# EAGLE board Mk4 Final Panel (EAGLE 9.0.1), part 5 of 18
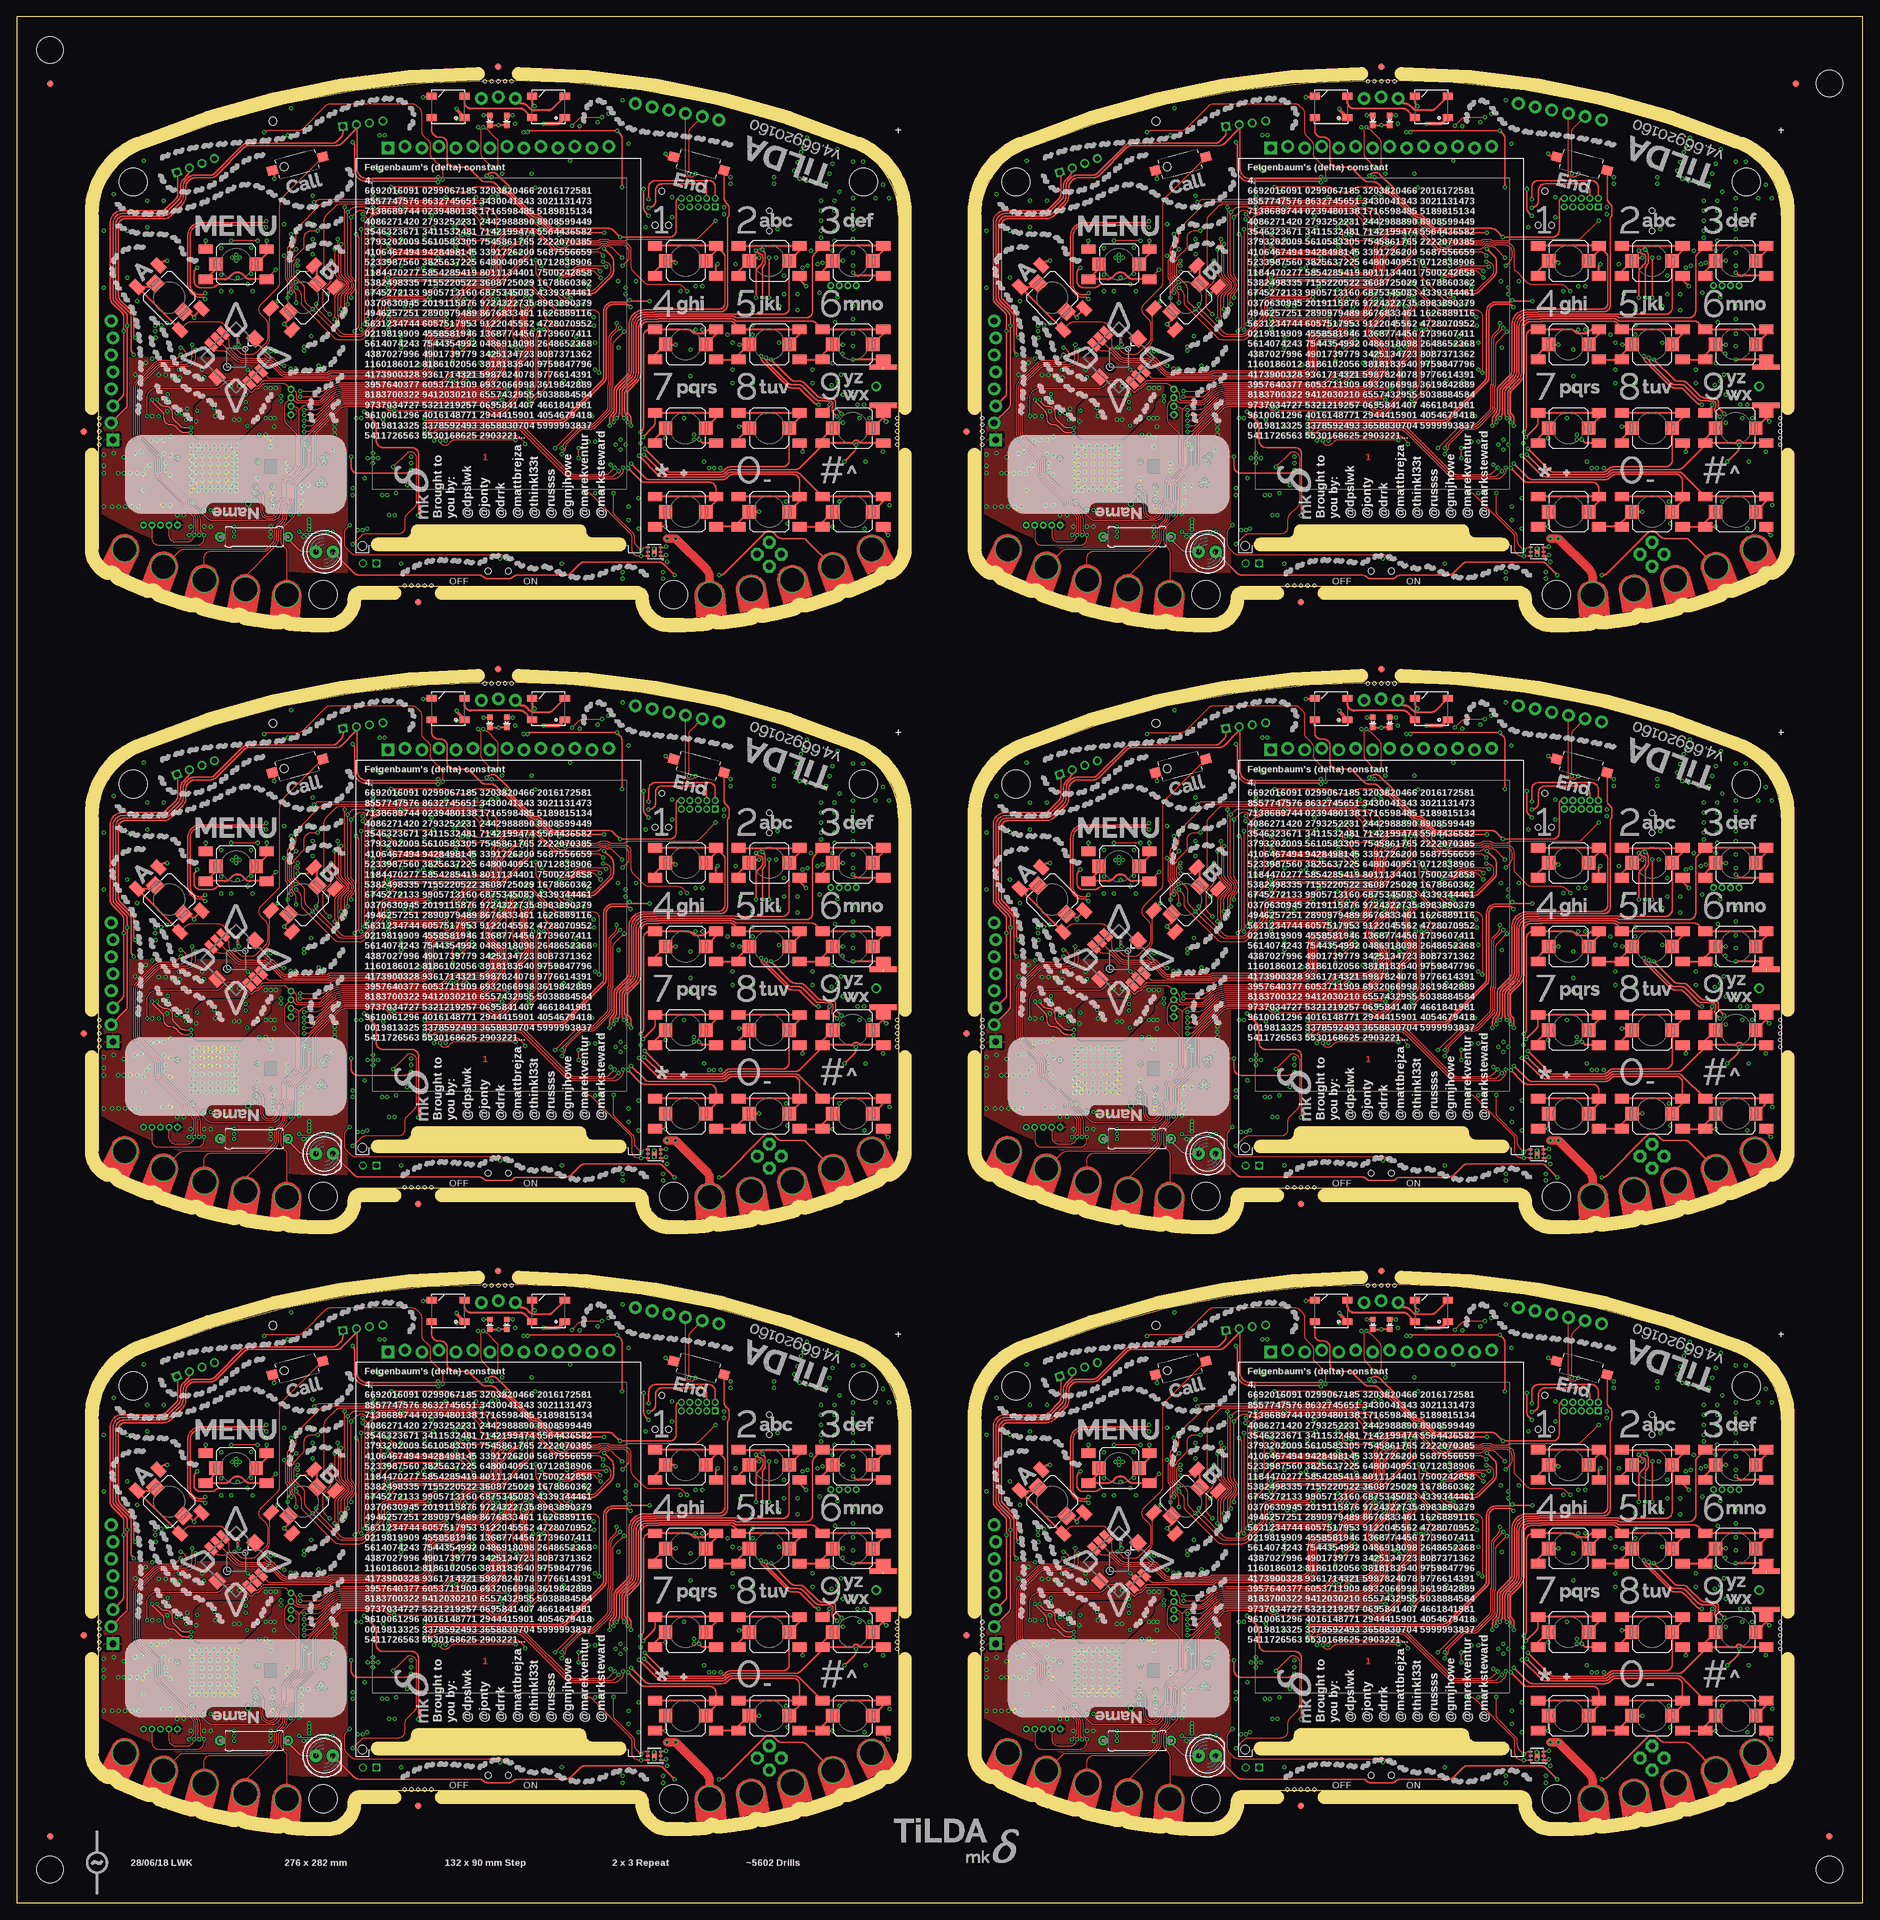
[diagram p0: board, top side]
## Tracks (layer width: path | path; a pad name or v marks a point on that pad's centre or on a via) (continued)
3V2  (via drill 0.3) (continued)
  Bottom 0.2: IC38.9 75,145.75 C231.2 | IC38.8 75.4,148.19 arc-45 75.55,148.55 v75.75,148.75 75.8,148.7 IC38.7 | IC38.16 72.2,146.01 arc45 72.35,145.65 C230.2 v72.5,144.75 | IC38.47 63.46,154.4 arc45 C228.2 | IC38.113 80.14,154.8 arc45 80.84,155.09 C227.2 | IC38.79 71.4,163.44 arc45 71.11,164.14 C229.2 | IC38.69 67.4,161.86 arc-45 v67.25,161.5 67.15,161.6 arc-45 67,161.96 IC38.68 | 32.75,129.28 IC47.47 | IC38.90 75.8,161.55 v75.75,161.5 | IC38.51 v63,156 63.11,156.11 arc-45 63.81,156.4 IC38.52 | IC38.39 v65.5,151.2 | IC38.28 67.4,146.35 arc90 v67.75,146 arc90 68.2,146.45 IC38.26 | R171.1 v79.5,147.5 | IC38.122 78.62,151.2 arc-45 v78.5,151.25 | v97.05,111.5 C320.1 | IC38.101 80.95,159.6 v81.1,159.45 | R184.2 v84.75,149 | R183.2 85.07,151.32 arc-45 v85.5,151.5 | R222.1 20.5,141.5 arc-45 v20.25,140.9
  Bottom 0.25: J21.41 64.25,140 | J21.40 64.75,139.29 arc45 64.6,139.65 64.25,140 | J21.42 63.75,139.29 arc-45 63.9,139.65 64.25,140 | J21.35 v67.25,137.5 | J21.1 v84.25,137.5 | J21.8 v80.75,140 | J21.7 81.25,139.5 v80.75,140 | J21.9 80.25,139.5 v80.75,140 | C231.2 75.25,144.12 C232.2 75.5,143.62 v75.5,142.75 | v62,154.1 C228.2 | v82.25,155.75 C227.2 | v71,165 C229.2 | R166.2 v71,168 | R167.2 v62,162.25 | C305.1 32.16,130.5 arc45 31.46,130.21 arc45 31.25,129.71 IC47.44 | IC47.39 28.75,131.55 C306.1 | IC47.37 27.75,131.35 C304.1 | C307.1 v28,118.25 28.46,118.71 arc45 28.75,119.41 IC47.10 | C308.1 v36,125.5 35.9,125.6 arc45 35.54,125.75 IC47.54 | IC49.21 C239.2 | v86,132.3 R230.2 | JP21.8 74.35,173.71 arc45 74.5,174.06 C221.2 | IC46.6 33.12,153.03 v33.05,152.95 C293.1
  Bottom 0.3: 33.22,129.75 32.75,129.28 | R229.2 v21.25,132.25 | JP19.1 97.63,164.63 v98,165 | IC45.14 106.81,161.44 R212.2 C280.2 v105.75,162.5 | IC40.8 81.35,148.15 C220.2 v81.25,149 | R172.1 v90,142.5 | C246.2 54.43,144.25 IC37.27 54.33,144.25 v53.25,144.25 | v44.25,156.5 arc-45 43.77,156.3 IC37.43 41.8,156.3 C242.2 | v44.25,161 44.15,161.1 IC37.49 41.85,161.1 C245.2 | v53.25,163.5 IC37.3 C240.2 | v53.25,165.25 53.4,165.1 IC37.1 55.65,165.1 C244.2 | v53.25,158.75 53.3,158.7 IC37.9 55.7,158.7 C241.2 | v53.25,154.75 53.3,154.7 IC37.14 55.7,154.7 C243.2 | C261.2 v38,136.5 | C261.2 38.75,137 v38.75,136.5 | C261.2 37.25,137 v37.25,136.5 | v91,151.5 R206.2 | C319.1 R216.1 | R182.2 R181.2 v57.3,150.75 | C304.1 v26.85,131.5 | C222.2 80.89,170.61 JP21.11 | v92.6,152.45 C279.2 92.03,152.72 IC44.8 | J26.7 J26.3 | J28.7 J28.3 | IC53.5 C323.1 v90.6,109
  Bottom 0.4: 33.22,129.75 34.19,129.75 arc45 34.89,130.04 C309.1 35.6,131.39 arc-45 35.75,131.75 v36,132 | v33.25,131.75 33.25,131.66 arc-45 32.96,130.96 32.7,130.7 C305.1 32.5,130.7 v32.5,131.75 | C306.1 29.1,131.7 v29.65,132.25 | v38.25,121.75 R224.2 | v38.25,119.75 R225.2 | v28,138.15 28.5,138.15 arc90 29.5,139.15 C294.2 29.5,139.53 arc45 29.21,140.24 IC48.8 | R223.2 v24.25,139.25 | v86.5,128.5 C239.2 | v40.95,117.6 R216.1 | C262.2 v32.5,115 | C262.2 33,115.75 v32.5,115.75 | C262.2 33,114.25 v32.5,114.25 | IC54.1 99.05,112 C324.1 97.96,112 arc45 97.26,111.71 v97.05,111.5 | TP54.TP 45.55,123.95 v45.55,122.65
  Bottom 0.5: C223.2 89.14,172 JP21.14
  other vias: 64.5,143.25 45.15,122.15 45.95,122.15 46.3,126.35 46,125.35 45.7,125.95
  pour 3V3@2 (isolate 0.254, rank 6): 12.2,164.5 12.2,111 arc31 44,102 46.7,102 arc90 49.5,104.8 arc-90 51.5,106.8 92.5,106.8 arc-90 94.5,104.8 arc90 97.3,102 100,102 arc31 131.8,111 131.8,134.5 125.5,134.5 125.5,164.5 131.8,164.5 arc64 125.25,172.25 arc24 72,182.5 arc24 18.75,172.25 arc55
  pour Bottom (no thermals): 64.25,142 64.25,143.3 64.45,143.5 64.8,143.5 65,143.3 65,141.75 64.5,141.25 64.5,139.75 64,139.75 64,141.75
  pour Bottom (no thermals): 48.3,117.65 46.75,117.65 46.35,118.05 arc45 45.99,118.2 44.85,118.2 44.85,125.39 arc-45 45,125.75 45.85,126.6 arc-45 46.21,126.75 46.25,126.75 arc-90 46.75,126.25 46.75,126.11 arc-45 46.6,125.75 46.45,125.6 arc45 46.3,125.24 46.3,119.4 arc90 46.8,118.9 47.8,118.9 arc-90 48.3,118.4
  pour Top: 36.35,136.85 34.65,135.15 arc-45 34.29,135 28.41,135 arc45 27.71,134.71 26.79,133.79 arc45 26.5,133.09 26.5,130 arc90 27.5,129 33.09,129 arc45 33.79,129.29 37.71,133.21 arc45 38,133.91 38,134.29 arc-45 38.15,134.65 39.35,135.85 arc45 39.5,136.21 39.5,136.5 arc90 39,137 36.71,137 arc45
3V3  (via drill 0.3)
  Top 0.2: IC17.1 96.69,21.35 arc45 v97.05,21.5
  Top 0.3: SW1.COM 35.58,48.17 v34.5,49.25
  Bottom 0.15: v86.5,30.75 C102.1 86,31.5 arc-90 85.5,32 85.5,32.16 arc-90 IC16.5
  Bottom 0.2: IC1.9 75,55.75 C13.2 | IC1.8 75.4,58.19 arc-45 75.55,58.55 v75.75,58.75 75.8,58.7 IC1.7 | IC1.16 72.2,56.01 arc45 72.35,55.65 C12.2 v72.5,54.75 | IC1.47 63.46,64.4 arc45 C10.2 | IC1.113 80.14,64.8 arc45 80.84,65.09 C9.2 | IC1.79 71.4,73.44 arc45 71.11,74.14 C11.2 | IC1.69 67.4,71.86 arc-45 v67.25,71.5 67.15,71.6 arc-45 67,71.96 IC1.68 | 32.75,39.28 IC15.47 | IC1.90 75.8,71.55 v75.75,71.5 | IC1.51 v63,66 63.11,66.11 arc-45 63.81,66.4 IC1.52 | IC1.39 v65.5,61.2 | IC1.28 67.4,56.35 arc90 v67.75,56 arc90 68.2,56.45 IC1.26 | R9.1 v79.5,57.5 | IC1.122 78.62,61.2 arc-45 v78.5,61.25 | v97.05,21.5 C104.1 | IC1.101 80.95,69.6 v81.1,69.45 | R24.2 v84.75,59 | R23.2 85.07,61.32 arc-45 v85.5,61.5 | R66.1 20.5,51.5 arc-45 v20.25,50.9
  Bottom 0.25: J2.41 64.25,50 | J2.40 64.75,49.29 arc45 64.6,49.65 64.25,50 | J2.42 63.75,49.29 arc-45 63.9,49.65 64.25,50 | J2.35 v67.25,47.5 | J2.1 v84.25,47.5 | J2.8 v80.75,50 | J2.7 81.25,49.5 v80.75,50 | J2.9 80.25,49.5 v80.75,50 | C13.2 75.25,54.12 C14.2 75.5,53.62 v75.5,52.75 | v62,64.1 C10.2 | v82.25,65.75 C9.2 | v71,75 C11.2 | R4.2 v71,78 | R5.2 v62,72.25 | C89.1 32.16,40.5 arc45 31.46,40.21 arc45 31.25,39.71 IC15.44 | IC15.39 28.75,41.55 C90.1 | IC15.37 27.75,41.35 C88.1 | C91.1 v28,28.25 28.46,28.71 arc45 28.75,29.41 IC15.10 | C92.1 v36,35.5 35.9,35.6 arc45 35.54,35.75 IC15.54 | IC4.21 C21.2 | v86,42.3 R76.2 | JP7.8 74.35,83.71 arc45 74.5,84.06 C3.2 | IC13.6 33.12,63.02 v33.05,62.95 C58.1
  Bottom 0.3: 33.22,39.75 32.75,39.28 | R73.2 v21.25,42.25 | JP4.1 97.63,74.63 v98,75 | IC12.14 106.81,71.44 R56.2 C71.2 v105.75,72.5 | IC6.8 81.35,58.15 C2.2 v81.25,59 | R10.1 v90,52.5 | C28.2 54.43,54.25 IC2.27 54.33,54.25 v53.25,54.25 | v44.25,66.5 arc-45 43.77,66.3 IC2.43 41.8,66.3 C24.2 | v44.25,71 44.15,71.1 IC2.49 41.85,71.1 C27.2 | v53.25,73.5 IC2.3 C22.2 | v53.25,75.25 53.4,75.1 IC2.1 55.65,75.1 C26.2 | v53.25,68.75 53.3,68.7 IC2.9 55.7,68.7 C23.2 | v53.25,64.75 53.3,64.7 IC2.14 55.7,64.7 C25.2 | C42.2 v38,46.5 | C42.2 38.75,47 v38.75,46.5 | C42.2 37.25,47 v37.25,46.5 | v91,61.5 R50.2 | C103.1 R60.1 | R22.2 R21.2 v57.3,60.75 | C88.1 v26.85,41.5 | C4.2 80.89,80.61 JP7.11 | v92.6,62.45 C70.2 92.03,62.73 IC11.8 | J10.7 J10.3 | J8.7 J8.3 | IC3.5 C107.1 v90.6,19
  Bottom 0.4: 33.22,39.75 34.19,39.75 arc45 34.89,40.04 C93.1 35.6,41.39 arc-45 35.75,41.75 v36,42 | v33.25,41.75 33.25,41.66 arc-45 32.96,40.96 32.7,40.7 C89.1 32.5,40.7 v32.5,41.75 | C90.1 29.1,41.7 v29.65,42.25 | v38.25,31.75 R68.2 | v38.25,29.75 R69.2 | v28,48.15 28.5,48.15 arc90 29.5,49.15 C59.2 29.5,49.53 arc45 29.21,50.24 IC14.8 | R67.2 v24.25,49.25 | v86.5,38.5 C21.2 | v40.95,27.6 R60.1 | C43.2 v32.5,25 | C43.2 33,25.75 v32.5,25.75 | C43.2 33,24.25 v32.5,24.25 | IC18.1 99.05,22 C108.1 97.96,22 arc45 97.26,21.71 v97.05,21.5 | TP16.TP 45.55,33.95 v45.55,32.65
  Bottom 0.5: C5.2 89.14,82 JP7.14
  other vias: 64.5,53.25 45.15,32.15 45.95,32.15 46.3,36.35 46,35.35 45.7,35.95
  pour 3V3@2 (isolate 0.254, rank 6): 12.2,74.5 12.2,21 arc31 44,12 46.7,12 arc90 49.5,14.8 arc-90 51.5,16.8 92.5,16.8 arc-90 94.5,14.8 arc90 97.3,12 100,12 arc31 131.8,21 131.8,44.5 125.5,44.5 125.5,74.5 131.8,74.5 arc64 125.25,82.25 arc24 72,92.5 arc24 18.75,82.25 arc55
  pour Bottom (no thermals): 64.25,52 64.25,53.3 64.45,53.5 64.8,53.5 65,53.3 65,51.75 64.5,51.25 64.5,49.75 64,49.75 64,51.75
  pour Bottom (no thermals): 48.3,27.65 46.75,27.65 46.35,28.05 arc45 45.99,28.2 44.85,28.2 44.85,35.39 arc-45 45,35.75 45.85,36.6 arc-45 46.21,36.75 46.25,36.75 arc-90 46.75,36.25 46.75,36.11 arc-45 46.6,35.75 46.45,35.6 arc45 46.3,35.24 46.3,29.4 arc90 46.8,28.9 47.8,28.9 arc-90 48.3,28.4
  pour Top: 36.35,46.85 34.65,45.15 arc-45 34.29,45 28.41,45 arc45 27.71,44.71 26.79,43.79 arc45 26.5,43.09 26.5,40 arc90 27.5,39 33.09,39 arc45 33.79,39.29 37.71,43.21 arc45 38,43.91 38,44.29 arc-45 38.15,44.65 39.35,45.85 arc45 39.5,46.21 39.5,46.5 arc90 39,47 36.71,47 arc45
3V4  (via drill 0.3)
  Top 0.2: IC70.1 228.69,111.35 arc45 v229.05,111.5
  Top 0.3: SW4.COM 167.58,138.17 v166.5,139.25
  Bottom 0.15: v218.5,120.75 C426.1 218,121.5 arc-90 217.5,122 217.5,122.16 arc-90 IC68.5
  Bottom 0.2: IC56.9 207,145.75 C339.2 | IC56.8 207.4,148.19 arc-45 207.55,148.55 v207.75,148.75 207.8,148.7 IC56.7 | IC56.16 204.2,146.01 arc45 204.35,145.65 C338.2 v204.5,144.75 | IC56.47 195.46,154.4 arc45 C336.2 | IC56.113 212.14,154.8 arc45 212.84,155.09 C335.2 | IC56.79 203.4,163.44 arc45 203.11,164.14 C337.2 | IC56.69 199.4,161.86 arc-45 v199.25,161.5 199.15,161.6 arc-45 199,161.96 IC56.68 | 164.75,129.28 IC65.47 | IC56.90 207.8,161.55 v207.75,161.5 | IC56.51 v195,156 195.11,156.11 arc-45 195.81,156.4 IC56.52 | IC56.39 v197.5,151.2 | IC56.28 199.4,146.35 arc90 v199.75,146 arc90 200.2,146.45 IC56.26 | R249.1 v211.5,147.5 | IC56.122 210.62,151.2 arc-45 v210.5,151.25 | v229.05,111.5 C428.1 | IC56.101 212.95,159.6 v213.1,159.45 | R262.2 v216.75,149 | R261.2 217.07,151.32 arc-45 v217.5,151.5 | R300.1 152.5,141.5 arc-45 v152.25,140.9
  Bottom 0.25: J31.41 196.25,140 | J31.40 196.75,139.29 arc45 196.6,139.65 196.25,140 | J31.42 195.75,139.29 arc-45 195.9,139.65 196.25,140 | J31.35 v199.25,137.5 | J31.1 v216.25,137.5 | J31.8 v212.75,140 | J31.7 213.25,139.5 v212.75,140 | J31.9 212.25,139.5 v212.75,140 | C339.2 207.25,144.12 C340.2 207.5,143.62 v207.5,142.75 | v194,154.1 C336.2 | v214.25,155.75 C335.2 | v203,165 C337.2 | R244.2 v203,168 | R245.2 v194,162.25 | C413.1 164.16,130.5 arc45 163.46,130.21 arc45 163.25,129.71 IC65.44 | IC65.39 160.75,131.55 C414.1 | IC65.37 159.75,131.35 C412.1 | C415.1 v160,118.25 160.46,118.71 arc45 160.75,119.41 IC65.10 | C416.1 v168,125.5 167.9,125.6 arc45 167.54,125.75 IC65.54 | IC67.21 C347.2 | v218,132.3 R308.2 | JP30.8 206.35,173.71 arc45 206.5,174.06 C329.2 | IC64.6 165.12,153.03 v165.05,152.95 C401.1
  Bottom 0.3: 165.22,129.75 164.75,129.28 | R307.2 v153.25,132.25 | JP28.1 229.63,164.63 v230,165 | IC63.14 238.81,161.44 R290.2 C388.2 v237.75,162.5 | IC58.8 213.35,148.15 C328.2 v213.25,149 | R250.1 v222,142.5 | C354.2 186.43,144.25 IC55.27 186.33,144.25 v185.25,144.25 | v176.25,156.5 arc-45 175.77,156.3 IC55.43 173.8,156.3 C350.2 | v176.25,161 176.15,161.1 IC55.49 173.85,161.1 C353.2 | v185.25,163.5 IC55.3 C348.2 | v185.25,165.25 185.4,165.1 IC55.1 187.65,165.1 C352.2 | v185.25,158.75 185.3,158.7 IC55.9 187.7,158.7 C349.2 | v185.25,154.75 185.3,154.7 IC55.14 187.7,154.7 C351.2 | C369.2 v170,136.5 | C369.2 170.75,137 v170.75,136.5 | C369.2 169.25,137 v169.25,136.5 | v223,151.5 R284.2 | C427.1 R294.1 | R260.2 R259.2 v189.3,150.75 | C412.1 v158.85,131.5 | C330.2 212.89,170.61 JP30.11 | v224.6,152.45 C387.2 224.03,152.72 IC62.8 | J36.7 J36.3 | J38.7 J38.3 | IC71.5 C431.1 v222.6,109
  Bottom 0.4: 165.22,129.75 166.19,129.75 arc45 166.89,130.04 C417.1 167.6,131.39 arc-45 167.75,131.75 v168,132 | v165.25,131.75 165.25,131.66 arc-45 164.96,130.96 164.7,130.7 C413.1 164.5,130.7 v164.5,131.75 | C414.1 161.1,131.7 v161.65,132.25 | v170.25,121.75 R302.2 | v170.25,119.75 R303.2 | v160,138.15 160.5,138.15 arc90 161.5,139.15 C402.2 161.5,139.53 arc45 161.21,140.24 IC66.8 | R301.2 v156.25,139.25 | v218.5,128.5 C347.2 | v172.95,117.6 R294.1 | C370.2 v164.5,115 | C370.2 165,115.75 v164.5,115.75 | C370.2 165,114.25 v164.5,114.25 | IC72.1 231.05,112 C432.1 229.96,112 arc45 229.26,111.71 v229.05,111.5 | TP73.TP 177.55,123.95 v177.55,122.65
  Bottom 0.5: C331.2 221.14,172 JP30.14
  other vias: 196.5,143.25 177.15,122.15 177.95,122.15 178.3,126.35 178,125.35 177.7,125.95
  pour 3V3@2 (isolate 0.254, rank 6): 144.2,164.5 144.2,111 arc31 176,102 178.7,102 arc90 181.5,104.8 arc-90 183.5,106.8 224.5,106.8 arc-90 226.5,104.8 arc90 229.3,102 232,102 arc31 263.8,111 263.8,134.5 257.5,134.5 257.5,164.5 263.8,164.5 arc64 257.25,172.25 arc24 204,182.5 arc24 150.75,172.25 arc55
  pour Bottom (no thermals): 196.25,142 196.25,143.3 196.45,143.5 196.8,143.5 197,143.3 197,141.75 196.5,141.25 196.5,139.75 196,139.75 196,141.75
  pour Bottom (no thermals): 180.3,117.65 178.75,117.65 178.35,118.05 arc45 177.99,118.2 176.85,118.2 176.85,125.39 arc-45 177,125.75 177.85,126.6 arc-45 178.21,126.75 178.25,126.75 arc-90 178.75,126.25 178.75,126.11 arc-45 178.6,125.75 178.45,125.6 arc45 178.3,125.24 178.3,119.4 arc90 178.8,118.9 179.8,118.9 arc-90 180.3,118.4
  pour Top: 168.35,136.85 166.65,135.15 arc-45 166.29,135 160.41,135 arc45 159.71,134.71 158.79,133.79 arc45 158.5,133.09 158.5,130 arc90 159.5,129 165.09,129 arc45 165.79,129.29 169.71,133.21 arc45 170,133.91 170,134.29 arc-45 170.15,134.65 171.35,135.85 arc45 171.5,136.21 171.5,136.5 arc90 171,137 168.71,137 arc45
3V5  (via drill 0.3)
  Top 0.2: IC88.1 96.69,201.35 arc45 v97.05,201.5
  Top 0.3: SW5.COM 35.58,228.17 v34.5,229.25
  Bottom 0.15: v86.5,210.75 C534.1 86,211.5 arc-90 85.5,212 85.5,212.16 arc-90 IC86.5
  Bottom 0.2: IC74.9 75,235.75 C447.2 | IC74.8 75.4,238.19 arc-45 75.55,238.55 v75.75,238.75 75.8,238.7 IC74.7 | IC74.16 72.2,236.01 arc45 72.35,235.65 C446.2 v72.5,234.75 | IC74.47 63.46,244.4 arc45 C444.2 | IC74.113 80.14,244.8 arc45 80.84,245.09 C443.2 | IC74.79 71.4,253.44 arc45 71.11,254.14 C445.2 | IC74.69 67.4,251.86 arc-45 v67.25,251.5 67.15,251.6 arc-45 67,251.96 IC74.68 | 32.75,219.28 IC83.47 | IC74.90 75.8,251.55 v75.75,251.5 | IC74.51 v63,246 63.11,246.11 arc-45 63.81,246.4 IC74.52 | IC74.39 v65.5,241.2 | IC74.28 67.4,236.35 arc90 v67.75,236 arc90 68.2,236.45 IC74.26 | R327.1 v79.5,237.5 | IC74.122 78.62,241.2 arc-45 v78.5,241.25 | v97.05,201.5 C536.1 | IC74.101 80.95,249.6 v81.1,249.45 | R340.2 v84.75,239 | R339.2 85.07,241.32 arc-45 v85.5,241.5 | R378.1 20.5,231.5 arc-45 v20.25,230.9
  Bottom 0.25: J41.41 64.25,230 | J41.40 64.75,229.29 arc45 64.6,229.65 64.25,230 | J41.42 63.75,229.29 arc-45 63.9,229.65 64.25,230 | J41.35 v67.25,227.5 | J41.1 v84.25,227.5 | J41.8 v80.75,230 | J41.7 81.25,229.5 v80.75,230 | J41.9 80.25,229.5 v80.75,230 | C447.2 75.25,234.12 C448.2 75.5,233.62 v75.5,232.75 | v62,244.1 C444.2 | v82.25,245.75 C443.2 | v71,255 C445.2 | R322.2 v71,258 | R323.2 v62,252.25 | C521.1 32.16,220.5 arc45 31.46,220.21 arc45 31.25,219.71 IC83.44 | IC83.39 28.75,221.55 C522.1 | IC83.37 27.75,221.35 C520.1 | C523.1 v28,208.25 28.46,208.71 arc45 28.75,209.41 IC83.10 | C524.1 v36,215.5 35.9,215.6 arc45 35.54,215.75 IC83.54 | IC85.21 C455.2 | v86,222.3 R386.2 | JP39.8 74.35,263.71 arc45 74.5,264.06 C437.2 | IC82.6 33.12,243.03 v33.05,242.95 C509.1
  Bottom 0.3: 33.22,219.75 32.75,219.28 | R385.2 v21.25,222.25 | JP37.1 97.63,254.63 v98,255 | IC81.14 106.81,251.44 R368.2 C496.2 v105.75,252.5 | IC76.8 81.35,238.15 C436.2 v81.25,239 | R328.1 v90,232.5 | C462.2 54.43,234.25 IC73.27 54.33,234.25 v53.25,234.25 | v44.25,246.5 arc-45 43.77,246.3 IC73.43 41.8,246.3 C458.2 | v44.25,251 44.15,251.1 IC73.49 41.85,251.1 C461.2 | v53.25,253.5 IC73.3 C456.2 | v53.25,255.25 53.4,255.1 IC73.1 55.65,255.1 C460.2 | v53.25,248.75 53.3,248.7 IC73.9 55.7,248.7 C457.2 | v53.25,244.75 53.3,244.7 IC73.14 55.7,244.7 C459.2 | C477.2 v38,226.5 | C477.2 38.75,227 v38.75,226.5 | C477.2 37.25,227 v37.25,226.5 | v91,241.5 R362.2 | C535.1 R372.1 | R338.2 R337.2 v57.3,240.75 | C520.1 v26.85,221.5 | C438.2 80.89,260.61 JP39.11 | v92.6,242.45 C495.2 92.03,242.72 IC80.8 | J46.7 J46.3 | J48.7 J48.3 | IC89.5 C539.1 v90.6,199
  Bottom 0.4: 33.22,219.75 34.19,219.75 arc45 34.89,220.04 C525.1 35.6,221.39 arc-45 35.75,221.75 v36,222 | v33.25,221.75 33.25,221.66 arc-45 32.96,220.96 32.7,220.7 C521.1 32.5,220.7 v32.5,221.75 | C522.1 29.1,221.7 v29.65,222.25 | v38.25,211.75 R380.2 | v38.25,209.75 R381.2 | v28,228.15 28.5,228.15 arc90 29.5,229.15 C510.2 29.5,229.53 arc45 29.21,230.24 IC84.8 | R379.2 v24.25,229.25 | v86.5,218.5 C455.2 | v40.95,207.6 R372.1 | C478.2 v32.5,205 | C478.2 33,205.75 v32.5,205.75 | C478.2 33,204.25 v32.5,204.25 | IC90.1 99.05,202 C540.1 97.96,202 arc45 97.26,201.71 v97.05,201.5 | TP92.TP 45.55,213.95 v45.55,212.65
  Bottom 0.5: C439.2 89.14,262 JP39.14
  other vias: 64.5,233.25 45.15,212.15 45.95,212.15 46.3,216.35 46,215.35 45.7,215.95
  pour 3V3@2 (isolate 0.254, rank 6): 12.2,254.5 12.2,201 arc31 44,192 46.7,192 arc90 49.5,194.8 arc-90 51.5,196.8 92.5,196.8 arc-90 94.5,194.8 arc90 97.3,192 100,192 arc31 131.8,201 131.8,224.5 125.5,224.5 125.5,254.5 131.8,254.5 arc64 125.25,262.25 arc24 72,272.5 arc24 18.75,262.25 arc55
  pour Bottom (no thermals): 64.25,232 64.25,233.3 64.45,233.5 64.8,233.5 65,233.3 65,231.75 64.5,231.25 64.5,229.75 64,229.75 64,231.75
  pour Bottom (no thermals): 48.3,207.65 46.75,207.65 46.35,208.05 arc45 45.99,208.2 44.85,208.2 44.85,215.39 arc-45 45,215.75 45.85,216.6 arc-45 46.21,216.75 46.25,216.75 arc-90 46.75,216.25 46.75,216.11 arc-45 46.6,215.75 46.45,215.6 arc45 46.3,215.24 46.3,209.4 arc90 46.8,208.9 47.8,208.9 arc-90 48.3,208.4
  pour Top: 36.35,226.85 34.65,225.15 arc-45 34.29,225 28.41,225 arc45 27.71,224.71 26.79,223.79 arc45 26.5,223.09 26.5,220 arc90 27.5,219 33.09,219 arc45 33.79,219.29 37.71,223.21 arc45 38,223.91 38,224.29 arc-45 38.15,224.65 39.35,225.85 arc45 39.5,226.21 39.5,226.5 arc90 39,227 36.71,227 arc45
3V6  (via drill 0.3)
  Top 0.2: IC106.1 228.69,201.35 arc45 v229.05,201.5
  Top 0.3: SW6.COM 167.58,228.17 v166.5,229.25
  Bottom 0.15: v218.5,210.75 C642.1 218,211.5 arc-90 217.5,212 217.5,212.16 arc-90 IC104.5
  Bottom 0.2: IC92.9 207,235.75 C555.2 | IC92.8 207.4,238.19 arc-45 207.55,238.55 v207.75,238.75 207.8,238.7 IC92.7 | IC92.16 204.2,236.01 arc45 204.35,235.65 C554.2 v204.5,234.75 | IC92.47 195.46,244.4 arc45 C552.2 | IC92.113 212.14,244.8 arc45 212.84,245.09 C551.2 | IC92.79 203.4,253.44 arc45 203.11,254.14 C553.2 | IC92.69 199.4,251.86 arc-45 v199.25,251.5 199.15,251.6 arc-45 199,251.96 IC92.68 | 164.75,219.28 IC101.47 | IC92.90 207.8,251.55 v207.75,251.5 | IC92.51 v195,246 195.11,246.11 arc-45 195.81,246.4 IC92.52 | IC92.39 v197.5,241.2 | IC92.28 199.4,236.35 arc90 v199.75,236 arc90 200.2,236.45 IC92.26 | R405.1 v211.5,237.5 | IC92.122 210.62,241.2 arc-45 v210.5,241.25 | v229.05,201.5 C644.1 | IC92.101 212.95,249.6 v213.1,249.45 | R418.2 v216.75,239 | R417.2 217.07,241.32 arc-45 v217.5,241.5 | R456.1 152.5,231.5 arc-45 v152.25,230.9
  Bottom 0.25: J51.41 196.25,230 | J51.40 196.75,229.29 arc45 196.6,229.65 196.25,230 | J51.42 195.75,229.29 arc-45 195.9,229.65 196.25,230 | J51.35 v199.25,227.5 | J51.1 v216.25,227.5 | J51.8 v212.75,230 | J51.7 213.25,229.5 v212.75,230 | J51.9 212.25,229.5 v212.75,230 | C555.2 207.25,234.12 C556.2 207.5,233.62 v207.5,232.75 | v194,244.1 C552.2 | v214.25,245.75 C551.2 | v203,255 C553.2 | R400.2 v203,258 | R401.2 v194,252.25 | C629.1 164.16,220.5 arc45 163.46,220.21 arc45 163.25,219.71 IC101.44 | IC101.39 160.75,221.55 C630.1 | IC101.37 159.75,221.35 C628.1 | C631.1 v160,208.25 160.46,208.71 arc45 160.75,209.41 IC101.10 | C632.1 v168,215.5 167.9,215.6 arc45 167.54,215.75 IC101.54 | IC103.21 C563.2 | v218,222.3 R464.2 | JP48.8 206.35,263.71 arc45 206.5,264.06 C545.2 | IC100.6 165.12,243.03 v165.05,242.95 C617.1
  Bottom 0.3: 165.22,219.75 164.75,219.28 | R463.2 v153.25,222.25 | JP46.1 229.63,254.63 v230,255 | IC99.14 238.81,251.44 R446.2 C604.2 v237.75,252.5 | IC94.8 213.35,238.15 C544.2 v213.25,239 | R406.1 v222,232.5 | C570.2 186.43,234.25 IC91.27 186.33,234.25 v185.25,234.25 | v176.25,246.5 arc-45 175.77,246.3 IC91.43 173.8,246.3 C566.2 | v176.25,251 176.15,251.1 IC91.49 173.85,251.1 C569.2 | v185.25,253.5 IC91.3 C564.2 | v185.25,255.25 185.4,255.1 IC91.1 187.65,255.1 C568.2 | v185.25,248.75 185.3,248.7 IC91.9 187.7,248.7 C565.2 | v185.25,244.75 185.3,244.7 IC91.14 187.7,244.7 C567.2 | C585.2 v170,226.5 | C585.2 170.75,227 v170.75,226.5 | C585.2 169.25,227 v169.25,226.5 | v223,241.5 R440.2 | C643.1 R450.1 | R416.2 R415.2 v189.3,240.75 | C628.1 v158.85,221.5 | C546.2 212.89,260.61 JP48.11 | v224.6,242.45 C603.2 224.03,242.72 IC98.8 | J56.7 J56.3 | J58.7 J58.3 | IC107.5 C647.1 v222.6,199
  Bottom 0.4: 165.22,219.75 166.19,219.75 arc45 166.89,220.04 C633.1 167.6,221.39 arc-45 167.75,221.75 v168,222 | v165.25,221.75 165.25,221.66 arc-45 164.96,220.96 164.7,220.7 C629.1 164.5,220.7 v164.5,221.75 | C630.1 161.1,221.7 v161.65,222.25 | v170.25,211.75 R458.2 | v170.25,209.75 R459.2 | v160,228.15 160.5,228.15 arc90 161.5,229.15 C618.2 161.5,229.53 arc45 161.21,230.24 IC102.8 | R457.2 v156.25,229.25 | v218.5,218.5 C563.2 | v172.95,207.6 R450.1 | C586.2 v164.5,205 | C586.2 165,205.75 v164.5,205.75 | C586.2 165,204.25 v164.5,204.25 | IC108.1 231.05,202 C648.1 229.96,202 arc45 229.26,201.71 v229.05,201.5 | TP111.TP 177.55,213.95 v177.55,212.65
  Bottom 0.5: C547.2 221.14,262 JP48.14
  other vias: 196.5,233.25 177.15,212.15 177.95,212.15 178.3,216.35 178,215.35 177.7,215.95
  pour 3V3@2 (isolate 0.254, rank 6): 144.2,254.5 144.2,201 arc31 176,192 178.7,192 arc90 181.5,194.8 arc-90 183.5,196.8 224.5,196.8 arc-90 226.5,194.8 arc90 229.3,192 232,192 arc31 263.8,201 263.8,224.5 257.5,224.5 257.5,254.5 263.8,254.5 arc64 257.25,262.25 arc24 204,272.5 arc24 150.75,262.25 arc55
  pour Bottom (no thermals): 196.25,232 196.25,233.3 196.45,233.5 196.8,233.5 197,233.3 197,231.75 196.5,231.25 196.5,229.75 196,229.75 196,231.75
  pour Bottom (no thermals): 180.3,207.65 178.75,207.65 178.35,208.05 arc45 177.99,208.2 176.85,208.2 176.85,215.39 arc-45 177,215.75 177.85,216.6 arc-45 178.21,216.75 178.25,216.75 arc-90 178.75,216.25 178.75,216.11 arc-45 178.6,215.75 178.45,215.6 arc45 178.3,215.24 178.3,209.4 arc90 178.8,208.9 179.8,208.9 arc-90 180.3,208.4
  pour Top: 168.35,226.85 166.65,225.15 arc-45 166.29,225 160.41,225 arc45 159.71,224.71 158.79,223.79 arc45 158.5,223.09 158.5,220 arc90 159.5,219 165.09,219 arc45 165.79,219.29 169.71,223.21 arc45 170,223.91 170,224.29 arc-45 170.15,224.65 171.35,225.85 arc45 171.5,226.21 171.5,226.5 arc90 171,227 168.71,227 arc45
!HIB
  Bottom 0.2: IC1.65 65.8,73.24 arc45 65.65,73.6 65.6,73.65 arc90 64.9,73.65 64.4,73.15 TP1.TP
!HIB1
  Bottom 0.2: IC20.65 197.8,73.24 arc45 197.65,73.6 197.6,73.65 arc90 196.9,73.65 196.4,73.15 TP20.TP
!HIB2
  Bottom 0.2: IC38.65 65.8,163.24 arc45 65.65,163.6 65.6,163.65 arc90 64.9,163.65 64.4,163.15 TP39.TP
!HIB3
  Bottom 0.2: IC56.65 197.8,163.24 arc45 197.65,163.6 197.6,163.65 arc90 196.9,163.65 196.4,163.15 TP58.TP
!HIB4
  Bottom 0.2: IC74.65 65.8,253.24 arc45 65.65,253.6 65.6,253.65 arc90 64.9,253.65 64.4,253.15 TP77.TP
!HIB5
  Bottom 0.2: IC92.65 197.8,253.24 arc45 197.65,253.6 197.6,253.65 arc90 196.9,253.65 196.4,253.15 TP96.TP
!RESET  (via drill 0.3)
  Top 0.15: v89.7,56.2 89.7,55.81 arc-45 89.41,55.11 88.82,54.52 arc45 88.53,53.81 88.53,47.15 arc-45 88.5,47.08 88.43,47.01 arc45 88.4,46.94 88.4,43.76 arc-45 88.11,43.06 86.24,41.19 arc-45 85.54,40.9 84.31,40.9 arc45 83.61,40.61 v80.5,37.5
  Top 0.2: J3.10 98.84,74.84 arc45 98.6,74.27 98.6,70.05 arc-90 97.6,69.05 v90.2,69.05 89.19,70.06 arc45 88.49,70.35 80.46,70.35 arc-45 79.75,70.64 78.14,72.25 arc45 77.79,72.4 77.67,72.4 arc-45 76.96,72.69 74.02,75.63 arc-45 73.73,76.34 arc45 73.6,76.65 71.83,78.42 arc90 70.42,78.42 v70.25,78.25
  3V3@2 0.15: v90.2,69.05 90.2,66.8 88.62,65.22 88.62,64.38 88.5,64.26 88.5,58.65 89.7,57.45 v89.7,56.2
  Bottom 0.15: IC1.70 67.8,73.59 arc-45 67.95,73.95 68.25,74.25 arc-45 68.61,74.4 68.79,74.4 arc45 69.15,74.55 69.85,75.25 arc45 70,75.61 C15.2 | R4.1 70,77.79 arc-45 70.15,78.15 v70.25,78.25 | v80.5,37.5 80.5,31.82 arc45 81.01,30.59 86.09,25.51 arc45 87.33,25 90.45,25 arc-90 91.7,23.75 91.7,22.16 arc-45 91.41,21.46 90.41,20.46 arc-45 90.27,20.4 89.56,20.4 arc45 89.42,20.34 89.38,20.31 arc-45 89.24,20.25 S19.2
  Bottom 0.2: C15.2 R4.1
!RESET1  (via drill 0.3)
  Top 0.15: v221.7,56.2 221.7,55.81 arc-45 221.41,55.11 220.82,54.52 arc45 220.53,53.81 220.53,47.15 arc-45 220.5,47.08 220.43,47.01 arc45 220.4,46.94 220.4,43.76 arc-45 220.11,43.06 218.24,41.19 arc-45 217.54,40.9 216.31,40.9 arc45 215.61,40.61 v212.5,37.5
  Top 0.2: J13.10 230.84,74.84 arc45 230.6,74.27 230.6,70.05 arc-90 229.6,69.05 v222.2,69.05 221.19,70.06 arc45 220.49,70.35 212.46,70.35 arc-45 211.75,70.64 210.14,72.25 arc45 209.79,72.4 209.67,72.4 arc-45 208.96,72.69 206.02,75.63 arc-45 205.73,76.34 arc45 205.6,76.65 203.83,78.42 arc90 202.42,78.42 v202.25,78.25
  3V3@2 0.15: v222.2,69.05 222.2,66.8 220.62,65.22 220.62,64.38 220.5,64.26 220.5,58.65 221.7,57.45 v221.7,56.2
  Bottom 0.15: IC20.70 199.8,73.59 arc-45 199.95,73.95 200.25,74.25 arc-45 200.61,74.4 200.79,74.4 arc45 201.15,74.55 201.85,75.25 arc45 202,75.61 C125.2 | R88.1 202,77.79 arc-45 202.15,78.15 v202.25,78.25 | v212.5,37.5 212.5,31.82 arc45 213.01,30.59 218.09,25.51 arc45 219.32,25 222.45,25 arc-90 223.7,23.75 223.7,22.16 arc-45 223.41,21.46 222.41,20.46 arc-45 222.27,20.4 221.56,20.4 arc45 221.42,20.34 221.38,20.31 arc-45 221.24,20.25 S40.2